# Altium PCB MB1191.PcbDoc (part 7 of 7) (continued)
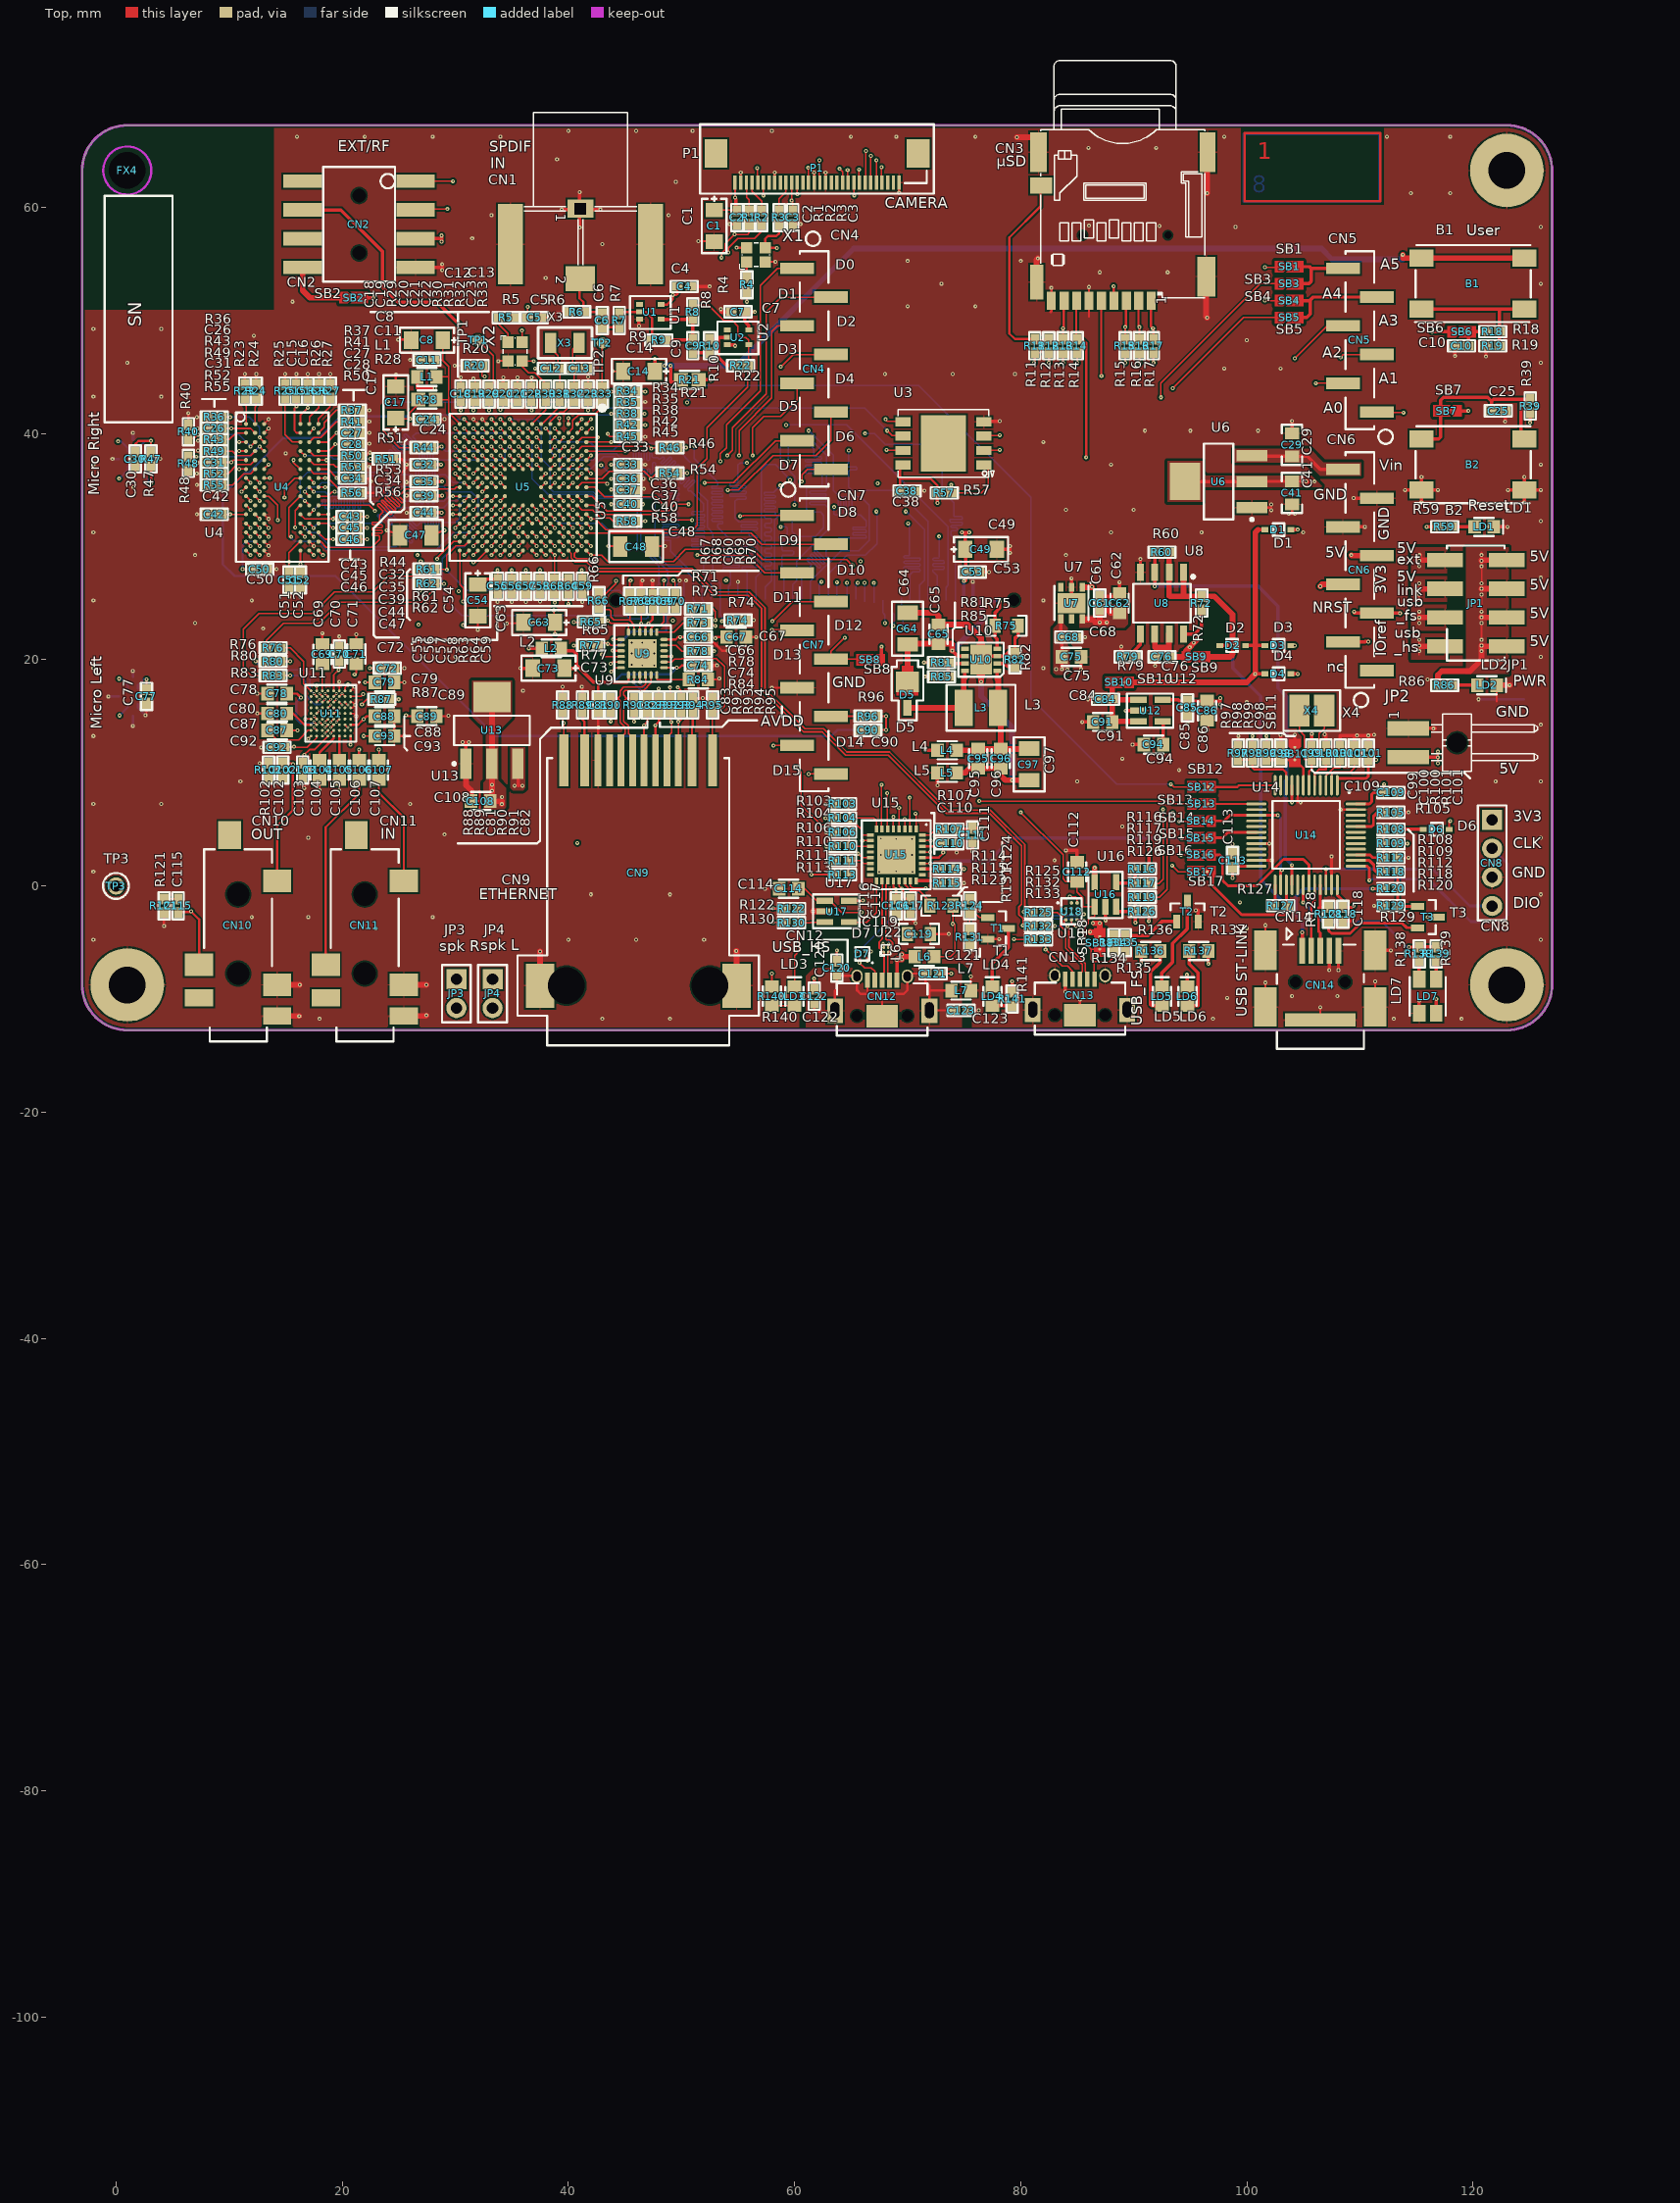
[diagram p0: Top view]
## Other copper (continued)
  pour cut-out: 122.905,-5.351 123.095,-5.352 123.095,-5.65 122.905,-5.65
  pour cut-out: 121.8,-0.367 121.609,-0.366 121.609,-0.06 121.8,-0.06
  pour cut-out: 122.837,0.87 122.836,0.679 122.53,0.679 122.53,0.87
  pour cut-out: 120.563,0.67 120.564,0.861 120.87,0.861 120.87,0.67
  pour cut-out: 121.6,1.907 121.791,1.906 121.791,1.6 121.6,1.6
  pour cut-out: 99.45,67.157 99.45,60.2 112.15,60.2 112.15,67.207
  text "4" at 109.8,64.417 h1.33
  text ".Layer_Name" at 197.65,-112.032 h4
  text ".G3" at 261.6,-112.075 h4
F5:
  pour cut-out: 41.325,60.45 cw(c41.307,59.807) 41.325,59.164 40.696,59.164 cw(c40.696,59.812) 40.575,60.45
  pour cut-out: 13.97,67.209 13.97,50.927 -2.885,50.927 -3,63.25 cw(c0.953,63.287) 0.963,67.24
  pour cut-out: 99.45,67.157 99.45,60.2 112.15,60.2 112.15,67.207
  text "5" at 110.9,61.491 h1.33
  text ".Layer_Name" at 197.625,-112.032 h4
  text ".G4" at 261.575,-112.075 h4
F6:
  pour cut-out: 41.325,60.45 cw(c41.307,59.807) 41.325,59.164 40.696,59.164 cw(c40.696,59.812) 40.575,60.45
  pour cut-out: 13.97,67.209 13.97,50.927 -2.885,50.927 -3,63.25 cw(c0.953,63.287) 0.963,67.24
  pour cut-out: 99.45,67.157 99.45,60.2 112.15,60.2 112.15,67.207
  text "6" at 107.9,61.491 h1.33
  text ".Layer_Name" at 197.65,-112.007 h4
  text ".G5" at 261.6,-112.05 h4
F7:
  pour cut-out: 13.97,67.209 13.97,50.927 -2.885,50.927 -3,63.25 cw(c0.953,63.287) 0.963,67.24
  pour cut-out: 99.45,67.157 99.45,60.2 112.15,60.2 112.15,67.207
  text "7" at 104.8,61.491 h1.33
  text ".Layer_Name" at 197.65,-112.032 h4
  text ".G6" at 261.6,-112.075 h4
Bottom:
  pour cut-out: 41.325,60.45 cw(c41.307,59.807) 41.325,59.164 40.696,59.164 cw(c40.696,59.812) 40.575,60.45
  pour cut-out: 14,50.803 14,67.265 -2.974,67.265 -3,50.803
  pour cut-out: 19.1,15.75 19.25,15.6 19.75,15.625 19.875,15.75 19.85,16.225 19.7,16.375
  pour cut-out: 99.45,67.157 99.45,60.2 112.15,60.2 112.15,67.207
  pour cut-out: 46.2,27.5 47.721,27.5 47.79,27.569 47.79,26.669 46.222,26.669 46.216,26.675
  text "8" at 101.748,61.325 h1.5
  text ".Layer_Name" at 197.65,-112.032 h4
  text ".GBL" at 261.6,-112.075 h4

## Silkscreen, mask and mechanical layers (free items; w line width, h text height)
Top Silk:
  lines w0.2: 7.6,43.05 9.7,43.05 ; 8.7,42.35 8.7,42.95 ; 19.8,28.85 21.5,28.85 ; 20.1,43.85 22,43.85 ; 20.7,28.85 20.7,29.65 ; 21,42.95 21,43.85 ; 22.5,50.75 30.25,50.75 ; 25,21.95 23,21.95 22.8,22.15 22.8,31.65 24.2,33.05 25.2,33.05 25.5,33.35 25.5,39.25 25.7,39.45 ; 30.25,3.75 37.25,3.75 37.5,4 37.5,13 38.5,14 39.5,14 ; 30.25,45 30.25,50.75 ; 33,50.75 30.25,50.75 ; 39.5,14.55 39.5,14 ; 44.85,26.737 44.85,27.45 49.7,27.45 50.1,27.85 56.8,27.85 ; 47,14.55 47,14 39.5,14 ; 48.1,14.45 48.1,14.05 53.6,14.05 54.2,14.65 56.7,14.65 ; 58.9,14.95 58.9,15.85 ; 62.4,-4.75 64.7,-4.75 64.7,-7.45 ; 72.1,6.45 72.375,6.45 72.375,2.825 ; 74,21.25 74,22.65 74.2,22.85 ; 74.2,25.05 74.2,22.85 ; 74.397,-0.861 75.025,-0.125 75.3,-0.125 ; 74.8,22.85 74.2,22.85 ; 76,-6.25 76.4,-6.25 76.4,-5.55 ; 76.4,-2.15 76.4,-1.425 78.375,-1.425 78.375,3.9 ; -1,41 -1,61 5,61 5,41 -1,41
  lines w0.203: 22.5,37 22.5,34 22.75,33.75 ; 25.5,13.25 26,13.25 ; 25.5,15 25.5,12.25 25.75,12 ; 26,23.5 25.75,23.75 25.75,27.75 26,28 ; 26.163,21.39 26.522,21.75 33.645,21.75 ; 33.45,24.75 34.2,24.75 ; 33.7,21.75 33.7,24.725 34.2,24.75 ; 41.25,24.75 34.2,24.75 ; 98.5,13.5 103.25,13.5 103.5,13.25 104.25,13.25 ; 105.75,10.25 106,10 119.25,10 119.75,9.5 ; 114.25,5 114.75,4.5 114.75,-0.5
  text "EXT/RF" at 19.615,64.604 h1.6
  text "SPDIF" at 33.025,64.575 h1.6
  text "µSD" at 77.875,63.275 h1.6
  text "IN" at 33.1,63.075 h1.6
  text "CAMERA" at 68,59.575 h1.6
  text "User" at 119.425,57.175 h1.6
  text "D0" at 63.625,54.225 h1.5
  text "A5" at 111.8,54.175 h1.6
  text "D1" at 58.525,51.6 h1.5
  text "A4" at 106.7,51.575 h1.6
  text "SN" at 2.65,49.425 h2 r90
  text "D2" at 63.725,49.2 h1.5
  text "A3" at 111.7,49.175 h1.6
  text "D3" at 58.55,46.7 h1.5
  text "A2" at 106.7,46.375 h1.6
  text "D4" at 63.625,44.1 h1.5
  text "A1" at 111.7,44.075 h1.6
  text "D5" at 58.625,41.7 h1.5
  text "A0" at 106.8,41.475 h1.6
  text "D6" at 63.625,39 h1.5
  text "D7" at 58.625,36.5 h1.5
  text "Vin" at 111.725,36.375 h1.6
  text "Micro Right" at -1.15,34.525 h1.6 r90
  text "GND" at 105.925,33.775 h1.6
  text "Reset" at 119.575,32.825 h1.6
  text "D8" at 63.85,32.3 h1.5
  text "GND" at 112.925,30.525 h1.6 r90
  text "D9" at 58.625,29.8 h1.5
  text "5V" at 113.3,29.075 h1.6
  text "5V" at 106.95,28.675 h1.6
  text "5V" at 125.05,28.325 h1.6
  text "ext" at 113.3,28.075 h1.6
  text "D10" at 63.725,27.2 h1.5
  text "5V" at 113.3,26.575 h1.6
  text "5V" at 125.05,25.825 h1.6
  text "3V3" at 112.675,25.8 h1.6 r90
  text "link" at 113.3,25.325 h1.6
  text "D11" at 58.125,24.8 h1.5
  text "usb" at 113.3,24.325 h1.6
  text "NRST" at 105.825,23.825 h1.6
  text "5V" at 125.05,23.325 h1.6
  text "_fs" at 113.3,23.075 h1.6
  text "D12" at 63.55,22.3 h1.5
  text "usb" at 113.05,21.575 h1.6
  text "5V" at 125.05,20.825 h1.6
  text "_hs" at 113.05,20.325 h1.6
  text "IOref" at 112.675,20.3 h1.6 r90
  text "D13" at 58.125,19.7 h1.5
  text "nc" at 107.075,18.575 h1.6
  text "PWR" at 123.575,17.325 h1.6
  text "GND" at 63.35,17.175 h1.6
  text "GND" at 122.05,14.6 h1.6
  text "Micro Left" at -0.925,13.875 h1.6 r90
  text "AVDD" at 57.025,13.775 h1.6
  text "D14" at 63.65,12 h1.5
  text "5V" at 122.35,9.575 h1.6
  text "D15" at 58.05,9.5 h1.5
  text "3V3" at 123.55,5.375 h1.6
  text "IN" at 23.4,3.8 h1.6
  text "OUT" at 11.95,3.775 h1.6
  text "CLK" at 123.55,2.975 h1.6
  text "GND" at 123.45,0.375 h1.6
  text "ETHERNET" at 32.1,-1.525 h1.6
  text "DIO" at 123.55,-2.325 h1.6
  text "spk L" at 32.225,-6.025 h1.6
  text "spk R" at 28.6,-6.125 h1.6
  text "USB_HS" at 58.025,-6.225 h1.6
  text "USB ST-LINK" at 100.375,-11.575 h1.6 r90
  text "USB_FS" at 91.075,-12.35 h1.6 r90
  text ".GTO" at 261.6,-111.975 h4
  text "Silkscreen Top" at 197.8,-112.075 h4
Bottom Overlay:
  text "CAMERA" at 60.675,64.275 h1.6
  text "µSD" at 88.8,63.5 h1.6
  text "IN" at 40.6,63.375 h1.6
  text "SPDIF" at 44.25,63.375 h1.6
  text "C" at 81.65,62.975 h6
  text "E" at 30.101,62.425 h8
  text "F" at 96.2,62.25 h8
  text "EXT/RF" at 23.15,62.05 h1.6
  text "I" at 0.975,53.025 h10
  text "H" at 7.2,44.725 h15
  text "MB1191C" at 120.625,38 h3 r270
  text "Micro Right" at 4.325,33.875 h1.6
  text "J" at -2.075,22.725 h15 r270
  text "Micro Left" at 4.15,12.8 h1.6
  text "www.st.com/stm32f7-discovery" at 5.475,9.9 h3.2 r270
  text "G" at 4,6.575 h8
  text "ETHERNET" at 49.4,-9.725 h1.6
  text "spk R" at 28.475,-10.3 h1.6
  text "spk L" at 37.675,-10.325 h1.6
  text "USB_HS" at 69.975,-10.925 h1.6
  text "USB_FS" at 87.25,-10.925 h1.6
  text "IN" at 22.6,-11.325 h1.6
  text "OUT" at 12.075,-11.625 h1.6
  text "USB ST-LINK" at 109.775,-12 h1.6
  text ".GBO" at 261.525,-112.075 h4
  text "Silkscreen Bottom" at 197.725,-112.175 h4
Top Paste:
  text ".Layer_Name" at 197.65,-112.032 h4
  text ".GTP" at 261.6,-112.075 h4
Bottom Paste:
  text ".Layer_Name" at 197.775,-112.132 h4
  text ".GB+P" at 261.725,-112.175 h4
Top Mask:
  text "Top Solder" at 197.65,-112.075 h4
  text ".GTS" at 261.6,-112.075 h4
Bottom Solder:
  text ".Layer_Name" at 197.65,-112.075 h4
  text ".GBS" at 261.6,-112.075 h4
Mechanical Drawing:
  circle w0.254: c123,63.25 r1.625
  circle w0.254: c123,-8.75 r1.625
  circle w0.254: c1,-8.75 r1.625
  text "'.Layer_Name'" at 197.65,-112.007 h4
Board:
  the board outline again, w0.25
Assembly Top:
  circle w0.2: c1,-8.75 r4
  circle w0.2: c123,-8.75 r4
  circle w0.2: c123,63.25 r4
  lines w0.2: 59.2,-8.9 59.2,55.616 60.724,57.14 72.154,57.14 74.694,59.68 107.46,59.68 110,57.14 112.54,57.14 112.54,-8.9 59.2,-8.9
  text "'.Layer_Name'" at 197.75,-112.1 h4
Assembly Bottom:
  circle w0.254: c-0.067,-111.299 r1.3
  region: 0.407,-104.063 15.935,-104.063 16.629,-105.838 17.84,-107.063 19.237,-105.203 19.237,-103.552 18.094,-102.155 16.658,-101.777 0.407,-101.777
  region: 14.411,-112.392 25.167,-112.392 24.173,-109.9 16.316,-109.9 15.867,-109.14 13.658,-111.689
  lines w0.2: -124.2,-119.125 65.8,-119.125 ; -124.191,-114.125 38.808,-114.125 ; -124.192,-105.125 -14.242,-105.125 ; -124.191,-97.125 38.808,-97.125 ; -124.191,-93.668 38.808,-93.668 ; -124.191,-89.125 38.808,-89.125 38.808,-119.125 ; -112.092,-119.125 -112.092,-114.125 ; -106.192,-97.039 -106.192,-89.125 ; -104.192,-119.125 -104.192,-114.125 ; -91.192,-97.039 -91.192,-89.125 ; -74.192,-97.125 -74.192,-89.125 ; -54.192,-97.039 -54.192,-89.125 ; -44.192,-114.125 -44.192,-105.125 ; -14.192,-114.125 -14.192,-97.125
  lines w0.254: -0.106,-101.777 0.656,-104.063 ; 0.148,-101.777 0.91,-104.063 ; 0.314,-101.774 1.076,-104.06 ; 0.402,-104.063 -0.36,-101.777 16.404,-101.777 cw(c16.644,-104.418) 18.448,-106.362 15.381,-109.9 24.173,-109.9 ; 0.407,-104.063 4.1,-104.063 ; 3.046,-110.678 ccw(c5.595,-109.658) 5.844,-112.392 25.167,-112.392 20.82,-101.497 ; 3.045,-110.675 -1.254,-99.898 18.196,-99.898 ; 4.1,-103.809 6.989,-112.188 ; 4.328,-103.818 7.198,-112.138 ; 4.582,-103.818 7.452,-112.138 ; 4.836,-103.818 7.706,-112.138 ; 5.09,-103.818 7.96,-112.138 ; 5.344,-103.818 8.214,-112.138 ; 5.598,-103.818 8.468,-112.138 ; 5.736,-104.063 18.729,-104.063 ; 5.852,-103.818 8.722,-112.138 ; 6.106,-103.818 8.976,-112.138 ; 6.233,-103.818 9.103,-112.138 ; 6.436,-103.809 9.325,-112.188 ; 12.76,-110.029 18.065,-103.908 ; 12.76,-109.648 18.065,-103.527 ; 12.887,-110.41 18.192,-104.289 ; 12.887,-110.156 18.192,-104.035 ; 12.887,-109.267 18.192,-103.146 ; 12.941,-110.601 18.192,-104.543 ; 12.959,-108.839 18.264,-102.718 ; 13.014,-110.791 18.319,-104.67 ; 13.141,-110.918 18.446,-104.797 ; 13.268,-111.045 18.573,-104.924 ; 13.395,-111.172 18.7,-105.051 ; 13.522,-111.553 18.827,-105.432 ; 13.522,-111.299 18.827,-105.178 ; 13.658,-111.689 19.081,-105.432 ; 14.669,-112.3 cw(c15.402,-109.751) 13.598,-107.808 15.963,-105.079 ccw(c15.632,-104.617) 15.606,-104.05 ; 16.29,-108.921 ccw(c16.588,-109.378) 16.693,-109.913 ; 18.197,-99.898 cw(c18.433,-102.5) 20.86,-101.53
  lines w0.3: -129.2,-80.625 -124.2,-80.625 ; -129.2,-30.625 -124.2,-30.625 ; -129.2,19.375 -119.2,19.375 ; -129.2,69.375 -124.2,69.375 ; -129.2,119.375 -124.2,119.375 ; -74.2,-124.125 -74.2,-119.125 ; -74.2,157.875 -74.2,162.875 ; -24.2,-124.125 -24.2,-119.125 ; -24.2,157.875 -24.2,162.875 ; 6.989,-112.188 9.325,-112.188 ; 25.8,157.875 25.8,162.875 ; 65.8,-119.125 -124.2,-119.125 ; 75.8,-124.125 75.8,-114.125 ; 75.8,157.875 75.8,162.875 ; 125.8,-124.125 125.8,-119.125 ; 125.8,157.875 125.8,162.875 ; 175.8,-124.125 175.8,-119.125 ; 175.8,157.875 175.8,162.875 ; 225.8,-124.125 225.8,-119.125 ; 225.8,157.875 225.8,162.875 ; 275.8,-80.625 280.8,-80.625 ; 275.8,-30.625 280.8,-30.625 ; 275.8,69.375 280.8,69.375 ; 275.8,119.375 280.8,119.375 ; -124.2,-119.125 275.8,-119.125 275.8,157.875 -124.2,157.875 -124.2,-119.125 ; -129.2,-124.125 280.8,-124.125 280.8,162.875 -129.2,162.875 -129.2,-124.125 ; 25.8,-124.125 25.8,-119.125 25.8,-124.125
  text "8" at -98.367,159.543 h1.85
  text "7" at -48.367,159.543 h1.85
  text "6" at 1.633,159.543 h1.85
  text "5" at 51.633,159.543 h1.85
  text "4" at 101.633,159.543 h1.85
  text "3" at 151.633,159.543 h1.85
  text "2" at 201.634,159.543 h1.85
  text "1" at 251.217,159.543 h1.85
  text "A" at -125.867,145.543 h1.85
  text "A" at 279.134,145.543 h1.85
  text "B" at -125.867,95.543 h1.85
  text "B" at 279.134,95.543 h1.85
  text "C" at -125.867,45.543 h1.85
  text "C" at 279.134,45.543 h1.85
  text "D" at -125.867,-4.457 h1.85
  text "D" at 279.134,-4.457 h1.85
  text "E" at -125.867,-54.457 h1.85
  text "E" at 279.134,-54.457 h1.85
  text "16-04-2015" at -93.992,-92.125 h2
  text "CHECKED BY" at -109.192,-96.125 h2
  text "DATE" at -96.092,-96.125 h2
  text "PCB DESIGNER" at -76.192,-96.125 h2
  text "COMPAGNY" at -58.892,-96.125 h2
  text "DESCRIPTION" at 26.308,-96.125 h2
  text "Revision" at 36.808,-96.125 h2
  text "TITLE" at -16.292,-100.125 h2
  text "Carte STM32F746G-DISCOVERY" at -24.192,-103.125 h5
  text "F" at -125.867,-104.457 h1.85
  text "F" at 279.134,-104.457 h1.85
  text "LAYER" at -46.192,-108.025 h2
  text "GERBER" at -110.192,-108.125 h2
  text "REF." at -16.292,-108.125 h2
  text "'.Layer_Name'" at -53.8,-112.175 h3
  text "MB1191B" at -24.192,-112.175 h3
  text "Ce document est la propriété de STMICROELECTRONICS et ne peut être reproduit ou transmis sans son autorisation écrite." at 37.908,-116.025 h2.4
  text "A4" at -105.892,-118.125 h4.5
  text "This document is the property of STMICROELECTRONICS and shall not be reproduced nor transmitted without written approval." at 37.908,-118.425 h2.4
  text "8" at -98.367,-122.457 h1.85
  text "7" at -48.367,-122.457 h1.85
  text "6" at 1.633,-122.457 h1.85
  text "5" at 51.633,-122.457 h1.85
  text "4" at 101.633,-122.457 h1.85
  text "3" at 151.633,-122.457 h1.85
  text "2" at 201.634,-122.457 h1.85
  text "1" at 251.217,-122.457 h1.85
Drill Drawing:
  drawing of 239 lines, arcs and shapes, not listed
  text "Symbol" at 149.056,163.876 h3
  text "Hit Count" at 160.808,163.876 h3
  text "Finished Hole Size" at 174.867,163.876 h3
  text "Plated" at 200.036,163.876 h3
  text "Hole Length" at 210.352,163.876 h3
  text "Routed Path Length" at 231.947,163.876 h3
  text "Via/Pad" at 258.549,163.876 h3
  text "28" at 160.808,158.699 h2.5
  text "0,10mm (3,94mil)" at 174.867,158.699 h2.5
  text "PTH" at 200.036,158.699 h2.5
  text "-" at 210.352,158.699 h2.5
  text "-" at 231.947,158.699 h2.5
  text "Via" at 258.549,158.699 h2.5
  text "1046" at 160.808,153.522 h2.5
  text "0,15mm (5,91mil)" at 174.867,153.522 h2.5
  text "PTH" at 200.036,153.522 h2.5
  text "-" at 210.352,153.522 h2.5
  text "-" at 231.947,153.522 h2.5
  text "Via" at 258.549,153.522 h2.5
  text "1" at 160.808,148.344 h2.5
  text "0,65mm (25,59mil)" at 174.867,148.344 h2.5
  text "NPTH" at 200.036,148.344 h2.5
  text "-" at 210.352,148.344 h2.5
  text "-" at 231.947,148.344 h2.5
  text "Pad" at 258.549,148.344 h2.5
  text "4" at 160.808,143.167 h2.5
  text "0,65mm (25,59mil)" at 174.867,143.167 h2.5
  text "PTH" at 200.036,143.167 h2.5
  text "0,85mm (33,47mil)" at 210.352,143.167 h2.5
  text "0,20mm (7,87mil)" at 231.947,143.167 h2.5
  text "Pad" at 258.549,143.167 h2.5
  text "BE CAREFULL : CHECK CAPABILITIES MANUFACTURER PCB FOR HOLES AND PADS" at -8.95,140.5 h4
  text "1" at 160.808,137.989 h2.5
  text "0,70mm (27,56mil)" at 174.867,137.989 h2.5
  text "NPTH" at 200.036,137.989 h2.5
  text "-" at 210.352,137.989 h2.5
  text "-" at 231.947,137.989 h2.5
  text "Pad" at 258.549,137.989 h2.5
  text "4" at 160.808,132.812 h2.5
  text "0,80mm (31,50mil)" at 174.867,132.812 h2.5
  text "PTH" at 200.036,132.812 h2.5
  text "1,40mm (55,12mil)" at 210.352,132.812 h2.5
  text "0,60mm (23,62mil)" at 231.947,132.812 h2.5
  text "Pad" at 258.549,132.812 h2.5
  text "8" at 160.808,127.634 h2.5
  text "1,00mm (39,37mil)" at 174.867,127.634 h2.5
  text "NPTH" at 200.036,127.634 h2.5
  text "-" at 210.352,127.634 h2.5
  text "-" at 231.947,127.634 h2.5
  text "Pad" at 258.549,127.634 h2.5
  text "150" at -59.4,123.75 h2.54
  text "EDGED COUPLED" at -83.1,123.725 h2.54
  text "130" at -45.9,123.675 h2.54
  text "90 Ohms" at -33.7,123.55 h2.54
  text "10" at -16.625,123.45 h2.54
  text "2" at -3.85,123.35 h2.54
  text "9" at 160.808,122.457 h2.5
  text "1,00mm (39,37mil)" at 174.867,122.457 h2.5
  text "PTH" at 200.036,122.457 h2.5
  text "-" at 210.352,122.457 h2.5
  text "-" at 231.947,122.457 h2.5
  text "Pad" at 258.549,122.457 h2.5
  text "EDGED COUPLED" at -83.203,121.2 h2.54
  text "125" at -59.45,121.15 h2.54
  text "165" at -45.95,121.075 h2.54
  text "100 Ohms" at -33.85,120.95 h2.54
  text "10" at -16.675,120.85 h2.54
  text "2" at -3.9,120.75 h2.54
  text "1" at 160.808,117.28 h2.5
  text "1,00mm (39,37mil)" at 174.867,117.28 h2.5
  text "PTH" at 200.036,117.28 h2.5
  text "1,60mm (62,99mil)" at 210.352,117.28 h2.5
  text "1,60mm (62,99mil)" at 231.947,117.28 h2.5
  text "Pad" at 258.549,117.28 h2.5
  text "SINGLE ENDED" at -81.575,112.75 h2.54
  text "120" at -59.497,112.7 h2.54
  text "50 Ohms" at -33.625,112.5 h2.54
  text "10" at -16.725,112.5 h2.54
  text "3, 5" at -3.95,112.4 h2.54
  text "2" at 160.808,112.102 h2.5
  text "1,20mm (47,24mil)" at 174.867,112.102 h2.5
  text "NPTH" at 200.036,112.102 h2.5
  text "-" at 210.352,112.102 h2.5
  text "-" at 231.947,112.102 h2.5
  text "Pad" at 258.549,112.102 h2.5
  text "SINGLE ENDED" at -81.676,109.825 h2.54
  text "120" at -59.598,109.775 h2.54
  text "50 Ohms" at -33.726,109.575 h2.54
  text "10" at -16.826,109.575 h2.54
  text "4, 6" at -4.051,109.475 h2.54
  text "1" at 160.808,106.925 h2.5
  text "1,73mm (68,11mil)" at 174.867,106.925 h2.5
  text "NPTH" at 200.036,106.925 h2.5
  text "-" at 210.352,106.925 h2.5
  text "-" at 231.947,106.925 h2.5
  text "Pad" at 258.549,106.925 h2.5
  text "SINGLE ENDED" at -81.576,106.775 h2.54
  text "120" at -59.498,106.725 h2.54
  text "50 Ohms" at -33.626,106.525 h2.54
  text "10" at -16.726,106.525 h2.54
  text "5, 7" at -3.951,106.425 h2.54
  text "4" at 160.808,101.747 h2.5
  text "2,00mm (78,74mil)" at 174.867,101.747 h2.5
  text "NPTH" at 200.036,101.747 h2.5
  text "-" at 210.352,101.747 h2.5
  text "-" at 231.947,101.747 h2.5
  text "Pad" at 258.549,101.747 h2.5
  text "SINGLE ENDED" at -81.626,99.975 h2.54
  text "120" at -59.548,99.925 h2.54
  text "50 Ohms" at -33.676,99.725 h2.54
  text "10" at -16.776,99.725 h2.54
  text "7" at -4.001,99.625 h2.54
  text "3" at 160.808,96.57 h2.5
  text "3,25mm (127,95mil)" at 174.867,96.57 h2.5
  text "NPTH" at 200.036,96.57 h2.5
  text "-" at 210.352,96.57 h2.5
  text "-" at 231.947,96.57 h2.5
  text "Pad" at 258.549,96.57 h2.5
  text "3" at 160.808,91.392 h2.5
  text "3,25mm (127,95mil)" at 174.867,91.392 h2.5
  text "PTH" at 200.036,91.392 h2.5
  text "-" at 210.352,91.392 h2.5
  text "-" at 231.947,91.392 h2.5
  text "Pad" at 258.549,91.392 h2.5
  text "1115 Total" at 160.808,86.215 h2.5
  text "Slot definitions :" at 149.056,82.591 h2.5
  text "Routed Path Length" at 166.118,82.591 h2.5
  text "= Calculated from tool start centre position to tool end centre position." at 187.254,82.591 h2.5
  text "Hole Length" at 166.118,80.52 h2.5
  text "= Routed Path Length + Tool Size = Slot length as defined in the PCB layout" at 179.407,80.52 h2.5
  text "Layer" at 157.115,66.24 h3
  text "Name" at 169.673,66.24 h3
  text "Material" at 193.96,66.24 h3
  text "Thickness" at 215.904,66.24 h3
  text "1" at 157.115,60.24 h3
  text "Top Silk" at 169.673,60.24 h3
  text "2" at 157.115,54.24 h3
  text "Top Mask" at 169.673,54.24 h3
  text "Solder Resist" at 193.96,54.24 h3
  text "0.015mm" at 215.904,54.24 h3
  text "3" at 157.115,48.24 h3
  text "TOP" at 169.673,48.24 h3
  text "Copper" at 193.96,48.24 h3
  text "0.055mm" at 215.904,48.24 h3
  text "4" at 157.115,42.24 h3
  text "Dielectric 1" at 169.673,42.24 h3
  text "Prepreg 2116" at 193.96,42.24 h3
  text "0.108mm" at 215.904,42.24 h3
  text "5" at 157.115,36.24 h3
  text "F2" at 169.673,36.24 h3
  text "Copper" at 193.96,36.24 h3
  text "0.033mm" at 215.904,36.24 h3
  text "6" at 157.115,30.24 h3
  text "Dielectric2" at 169.673,30.24 h3
  text "Core 125" at 193.96,30.24 h3
  text "0.125mm" at 215.904,30.24 h3
  text "7" at 157.115,24.24 h3
  text "F3" at 169.673,24.24 h3
  text "Copper" at 193.96,24.24 h3
  text "0.033mm" at 215.904,24.24 h3
  text "8" at 157.115,18.24 h3
  text "Dielectric3" at 169.673,18.24 h3
  text "Prepreg 2116" at 193.96,18.24 h3
  text "0.108mm" at 215.904,18.24 h3
  text "9" at 157.115,12.24 h3
  text "F4" at 169.673,12.24 h3
  text "Copper" at 193.96,12.24 h3
  text "0.033mm" at 215.904,12.24 h3
  text "10" at 157.115,6.24 h3
  text "Dielectric4" at 169.673,6.24 h3
  text "Core 125" at 193.96,6.24 h3
  text "0.125mm" at 215.904,6.24 h3
  text "11" at 157.115,0.24 h3
  text "F5" at 169.673,0.24 h3
  text "Copper" at 193.96,0.24 h3
  text "0.033mm" at 215.904,0.24 h3
  text "12" at 157.115,-5.76 h3
  text "Dielectric5" at 169.673,-5.76 h3
  text "Prepreg 2116" at 193.96,-5.76 h3
  text "0.108mm" at 215.904,-5.76 h3
  text "13" at 157.115,-11.76 h3
  text "F6" at 169.673,-11.76 h3
  text "Copper" at 193.96,-11.76 h3
  text "0.033mm" at 215.904,-11.76 h3
  text "14" at 157.115,-17.76 h3
  text "Dielectric6" at 169.673,-17.76 h3
  text "Core 125" at 193.96,-17.76 h3
  text "0.125mm" at 215.904,-17.76 h3
  text "15" at 157.115,-23.76 h3
  text "F7" at 169.673,-23.76 h3
  text "Copper" at 193.96,-23.76 h3
  text "0.033mm" at 215.904,-23.76 h3
  text "16" at 157.115,-29.76 h3
  text "Dielectric7" at 169.673,-29.76 h3
  text "Prepreg 2116" at 193.96,-29.76 h3
  text "0.108mm" at 215.904,-29.76 h3
  text "17" at 157.115,-35.76 h3
  text "Bottom" at 169.673,-35.76 h3
  text "Copper" at 193.96,-35.76 h3
  text "0.055mm" at 215.904,-35.76 h3
  text "18" at 157.115,-41.76 h3
  text "Bottom Solder" at 169.673,-41.76 h3
  text "Solder Resist" at 193.96,-41.76 h3
  text "0.015mm" at 215.904,-41.76 h3
  text "19" at 157.115,-47.76 h3
  text "Bottom Overlay" at 169.673,-47.76 h3
  text "Drill Drawing" at 197.65,-112.032 h4
Template Top:
  circle w0.254: c151.676,-111.299 r1.3
  region: 151.201,-104.063 135.674,-104.063 134.98,-105.838 133.769,-107.063 132.372,-105.203 132.372,-103.552 133.515,-102.155 134.951,-101.777 151.201,-101.777
  region: 137.198,-112.392 126.442,-112.392 127.435,-109.9 135.293,-109.9 135.742,-109.14 137.95,-111.689
  lines w0.2: 85.8,-119.125 275.8,-119.125 ; 112.8,-119.125 112.8,-89.125 275.8,-89.125 ; 112.8,-114.125 275.8,-114.125 ; 112.8,-97.125 275.8,-97.125 ; 112.8,-93.668 275.8,-93.668 ; 123.3,-97.125 123.3,-89.125 ; 151.3,-97.125 151.3,-89.125 ; 165.8,-114.125 165.8,-97.125 ; 165.85,-105.125 275.8,-105.125 ; 195.8,-114.125 195.8,-105.125 ; 205.8,-97.039 205.8,-89.125 ; 225.8,-97.125 225.8,-89.125 ; 242.8,-97.039 242.8,-89.125 ; 255.8,-119.125 255.8,-114.125 ; 257.8,-97.039 257.8,-89.125 ; 263.7,-119.125 263.7,-114.125
  lines w0.254: 127.435,-109.9 136.227,-109.9 133.161,-106.362 cw(c134.965,-104.418) 135.205,-101.777 151.969,-101.777 151.207,-104.063 ; 130.749,-101.53 cw(c133.175,-102.5) 133.412,-99.898 ; 130.788,-101.497 126.442,-112.392 145.764,-112.392 ccw(c146.013,-109.658) 148.562,-110.678 ; 132.528,-105.432 137.95,-111.689 ; 132.782,-105.432 138.087,-111.553 ; 132.782,-105.178 138.087,-111.299 ; 132.88,-104.063 145.873,-104.063 ; 132.909,-105.051 138.214,-111.172 ; 133.036,-104.924 138.341,-111.045 ; 133.163,-104.797 138.468,-110.918 ; 133.29,-104.67 138.595,-110.791 ; 133.345,-102.718 138.65,-108.839 ; 133.413,-99.898 152.863,-99.898 148.563,-110.675 ; 133.417,-104.543 138.667,-110.601 ; 133.417,-104.289 138.722,-110.41 ; 133.417,-104.035 138.722,-110.156 ; 133.417,-103.146 138.722,-109.267 ; 133.544,-103.908 138.849,-110.029 ; 133.544,-103.527 138.849,-109.648 ; 134.916,-109.913 ccw(c135.021,-109.378) 135.318,-108.921 ; 136.002,-104.05 ccw(c135.976,-104.617) 135.646,-105.079 138.011,-107.808 cw(c136.207,-109.751) 136.94,-112.3 ; 142.283,-112.188 145.173,-103.809 ; 142.506,-112.138 145.375,-103.818 ; 142.633,-112.138 145.502,-103.818 ; 142.887,-112.138 145.756,-103.818 ; 143.141,-112.138 146.01,-103.818 ; 143.395,-112.138 146.264,-103.818 ; 143.649,-112.138 146.518,-103.818 ; 143.903,-112.138 146.772,-103.818 ; 144.157,-112.138 147.026,-103.818 ; 144.411,-112.138 147.28,-103.818 ; 144.619,-112.188 147.509,-103.809 ; 147.509,-104.063 151.201,-104.063 ; 150.533,-104.06 151.295,-101.774 ; 150.699,-104.063 151.461,-101.777 ; 150.953,-104.063 151.715,-101.777
  lines w0.3: -129.2,-80.625 -124.2,-80.625 ; -129.2,-30.625 -124.2,-30.625 ; -129.2,19.375 -119.2,19.375 ; -129.2,69.375 -124.2,69.375 ; -129.2,119.375 -124.2,119.375 ; -74.2,-124.125 -74.2,-119.125 ; -74.2,157.875 -74.2,162.875 ; -24.2,-124.125 -24.2,-119.125 ; -24.2,157.875 -24.2,162.875 ; 25.8,-124.125 25.8,-119.125 ; 25.8,157.875 25.8,162.875 ; 75.8,-124.125 75.8,-114.125 ; 75.8,157.875 75.8,162.875 ; 85.8,-119.125 275.8,-119.125 ; 125.8,157.875 125.8,162.875 ; 142.283,-112.188 144.619,-112.188 ; 175.8,-124.125 175.8,-119.125 ; 175.8,157.875 175.8,162.875 ; 225.8,-124.125 225.8,-119.125 ; 225.8,157.875 225.8,162.875 ; 275.8,-80.625 280.8,-80.625 ; 275.8,-30.625 280.8,-30.625 ; 275.8,69.375 280.8,69.375 ; 275.8,119.375 280.8,119.375 ; 275.8,-119.125 275.8,157.875 -124.2,157.875 -124.2,-119.125 275.8,-119.125 ; -129.2,-124.125 -129.2,162.875 280.8,162.875 280.8,-124.125 -129.2,-124.125 ; 125.8,-124.125 125.8,-119.125 125.8,-124.125
  text "1" at -99.617,159.543 h1.85
  text "2" at -50.033,159.543 h1.85
  text "3" at -0.033,159.543 h1.85
  text "4" at 49.967,159.543 h1.85
  text "5" at 99.967,159.543 h1.85
  text "6" at 149.967,159.543 h1.85
  text "7" at 199.967,159.543 h1.85
  text "8" at 249.967,159.543 h1.85
  text "A" at -127.533,145.543 h1.85
  text "A" at 277.467,145.543 h1.85
  text "B" at -127.533,95.543 h1.85
  text "B" at 277.467,95.543 h1.85
  text "C" at -127.533,45.543 h1.85
  text "C" at 277.467,45.543 h1.85
  text "D" at -127.533,-4.457 h1.85
  text "D" at 277.467,-4.457 h1.85
  text "E" at -127.533,-54.457 h1.85
  text "E" at 277.467,-54.457 h1.85
  text "16-04-2015" at 245.6,-92.125 h2
  text "Revision" at 114.8,-96.125 h2
  text "DESCRIPTION" at 125.3,-96.125 h2
  text "COMPAGNY" at 210.5,-96.125 h2
  text "PCB DESIGNER" at 227.8,-96.125 h2
  text "DATE" at 247.7,-96.125 h2
  text "CHECKED BY" at 260.8,-96.125 h2
  text "TITLE" at 167.9,-100.125 h2
  text "Carte STM32F746G-DISCOVERY" at 175.8,-103.125 h5
  text "F" at -127.533,-104.457 h1.85
  text "F" at 277.467,-104.457 h1.85
  text "LAYER" at 197.8,-108.025 h2
  text "REF." at 167.9,-108.125 h2
  text "GERBER" at 261.8,-108.125 h2
  text "MB1191B" at 175.8,-112.125 h3
  text "Ce document est la propriété de STMICROELECTRONICS et ne peut être reproduit ou transmis sans son autorisation écrite." at 113.7,-116.025 h2.4
  text "A4" at 257.5,-118.125 h4.5
  text "This document is the property of STMICROELECTRONICS and shall not be reproduced nor transmitted without written approval." at 113.7,-118.425 h2.4
  text "1" at -99.617,-122.457 h1.85
  text "2" at -50.033,-122.457 h1.85
  text "3" at -0.033,-122.457 h1.85
  text "4" at 49.967,-122.457 h1.85
  text "5" at 99.967,-122.457 h1.85
  text "6" at 149.967,-122.457 h1.85
  text "7" at 199.967,-122.457 h1.85
  text "8" at 249.967,-122.457 h1.85

## Dimensions
1,-12.75 to 1,67.25 on Mechanical Drawing
1,63.25 to 1,67.25 on Mechanical Drawing
1,63.25 to 1,-8.75 on Mechanical Drawing
127,63.25 to -3,63.25 on Mechanical Drawing
1,63.25 to 123,63.25 on Mechanical Drawing
-3,63.25 to 1,63.25 on Mechanical Drawing

## Text inside footprints (layer, text, board x,y; h text height)
CN1: Assembly Top "1" at 46.925,57.079 h1.2 r270; Assembly Top "1" at 34.425,57.079 h1.2 r270; Assembly Top "2" at 40.75,54.254 h1.2 r270; Assembly Top "1" at 40.7,60.279 h1.2 r270; Top Silk "1" at 38.6,59.45 h1.5 r270; Top Silk "2" at 38.625,53.95 h1.5 r270
CN3: Assembly Top "1" at 92.025,52.875 h1.5 r90; Assembly Top "9" at 83.2,52.825 h1.5 r90; Assembly Top "10" at 82.875,61.25 h1.5 r90; Top Silk "1" at 93.175,51.375 h1.5 r90; Mechanical 7 "EDGE" at 96.6,67.4 h1; Mechanical 7 "PCB" at 79.025,67.4 h1
IMP1: Drill Drawing "Layer" at -109.75,131.425 h2.54; Drill Drawing "Layer" at -100.75,132.425 h2.54; Drill Drawing "Name" at -100.75,129.925 h2.54; Drill Drawing "Top Layer" at -102.75,126.425 h2.54; Drill Drawing "Mid-Layer 1-GND" at -102.75,118.95 h2.54; Drill Drawing "Mid-Layer 2-PWR" at -102.75,115.75 h2.54; Drill Drawing "Mid-Layer 3-PWR" at -102.75,112.75 h2.54; Drill Drawing "1" at -107.75,126.425 h2.54; Drill Drawing "2" at -107.991,118.95 h2.54; Drill Drawing "3" at -107.983,115.75 h2.54; Drill Drawing "4" at -108.013,112.75 h2.54; Drill Drawing "Target" at -31.609,132.425 h2.54; Drill Drawing "Impedance" at -34.25,129.925 h2.54; Drill Drawing "Trace" at -60.167,132.425 h2.54; Drill Drawing "Width (µm)" at -62.25,129.925 h2.54; Drill Drawing "Separation (µm)" at -49.75,129.925 h2.54; Drill Drawing "Trace" at -47.25,132.425 h2.54; Drill Drawing "Impedance" at -78.69,132.425 h2.54; Drill Drawing "Structure" at -77.733,129.925 h2.54; Drill Drawing "+/- %" at -17.494,129.925 h2.54; Drill Drawing "Tolerance" at -20.25,132.425 h2.54; Drill Drawing "Ref. Plane" at -8.25,129.925 h2.54; Drill Drawing "Layer" at -5.857,132.425 h2.54; Drill Drawing "6" at -107.988,106.75 h2.54; Drill Drawing "5" at -107.989,109.75 h2.54; Drill Drawing "Mid-Layer 5" at -102.75,106.75 h2.54; Drill Drawing "Mid-Layer 4-GND" at -102.75,109.75 h2.54; Drill Drawing "Note 1" at -109.46,135.995 h2.54; Drill Drawing "Mid-Layer 6-GND" at -102.725,103.45 h2.54; Drill Drawing "Bottom Layer" at -102.725,99.975 h2.54; Drill Drawing "7" at -107.964,103.45 h2.54; Drill Drawing "8" at -107.963,99.975 h2.54; Drill Drawing "EDGED COUPLED" at -82.997,126.25 h2.54; Drill Drawing "90 Ohms" at -33.69,126.25 h2.54; Drill Drawing "150" at -59.401,126.25 h2.54; Drill Drawing "10" at -16.612,126.25 h2.54; Drill Drawing "2" at -3.87,126.25 h2.54; Drill Drawing "170" at -45.825,126.25 h2.54; Drill Drawing "SINGLE ENDED" at -81.549,115.85 h2.54; Drill Drawing "50 Ohms" at -33.593,115.85 h2.54; Drill Drawing "120" at -59.305,115.85 h2.54; Drill Drawing "10" at -16.516,115.85 h2.54; Drill Drawing "2, 4" at -3.773,115.85 h2.54
JP2: Assembly Top "1" at 114.3,13.745 h1 r90; Assembly Top "2" at 114.3,11.175 h1 r90; Top Silk "1" at 113.78,14.735 h1.5 r90
U3: Assembly Top "4" at 76.5,41.505 h1.5 r180; Assembly Top "1" at 76.5,37.68 h1.5 r180; Assembly Top "8" at 70.5,37.705 h1.5 r180; Assembly Top "5" at 70.5,41.505 h1.5 r180
U19: Assembly Bottom "40" at 46.9,23.19 h1.5; Assembly Bottom "1" at 77.625,23.115 h1.5; Assembly Bottom "4,3 INCH WQVGA / 480x272 DOTS" at 76.3,36.265 h4; Assembly Bottom "Viewing direction / 12:00 O'clock" at 76.525,15.165 h4; Bottom Overlay "4,3 INCH WQVGA / 480x272 DOTS" at 76.3,36.265 h4; Bottom Overlay "Viewing direction / 12:00 O'clock" at 76.525,15.165 h4; Bottom Overlay "40" at 46.9,23.19 h1.5; Bottom Overlay "1" at 77.625,23.115 h1.5
U20: Assembly Bottom "1" at 1.9,38.75 h1 r180; Assembly Bottom "4" at 0.8,38.9 h1 r180; Assembly Bottom "2" at 1.725,37.55 h1 r180; Assembly Bottom "3" at 0.825,37.575 h1 r180; Bottom Overlay "1" at 3.875,39.36 h1.5
U21: Assembly Bottom "3" at 0.825,16.625 h1 r180; Assembly Bottom "2" at 1.725,16.6 h1 r180; Assembly Bottom "4" at 0.8,17.95 h1 r180; Assembly Bottom "1" at 1.9,17.8 h1 r180; Bottom Overlay "1" at 3.775,18.375 h1.5
U22: Assembly Top "A1" at 68,-5.988 h0.3 r90
X1: Assembly Top "4" at 55.675,56.175 h0.6; Assembly Top "3" at 57.275,56.175 h0.6; Assembly Top "2" at 57.275,55.05 h0.6; Assembly Top "1" at 55.725,55.05 h0.6
X2: Assembly Top "1" at 34.55,48.125 h0.6 r270; Assembly Top "2" at 34.55,46.575 h0.6 r270; Assembly Top "3" at 35.675,46.575 h0.6 r270; Assembly Top "4" at 35.675,48.175 h0.6 r270